# KiCad board 128CR.kicad_pcb (continued)
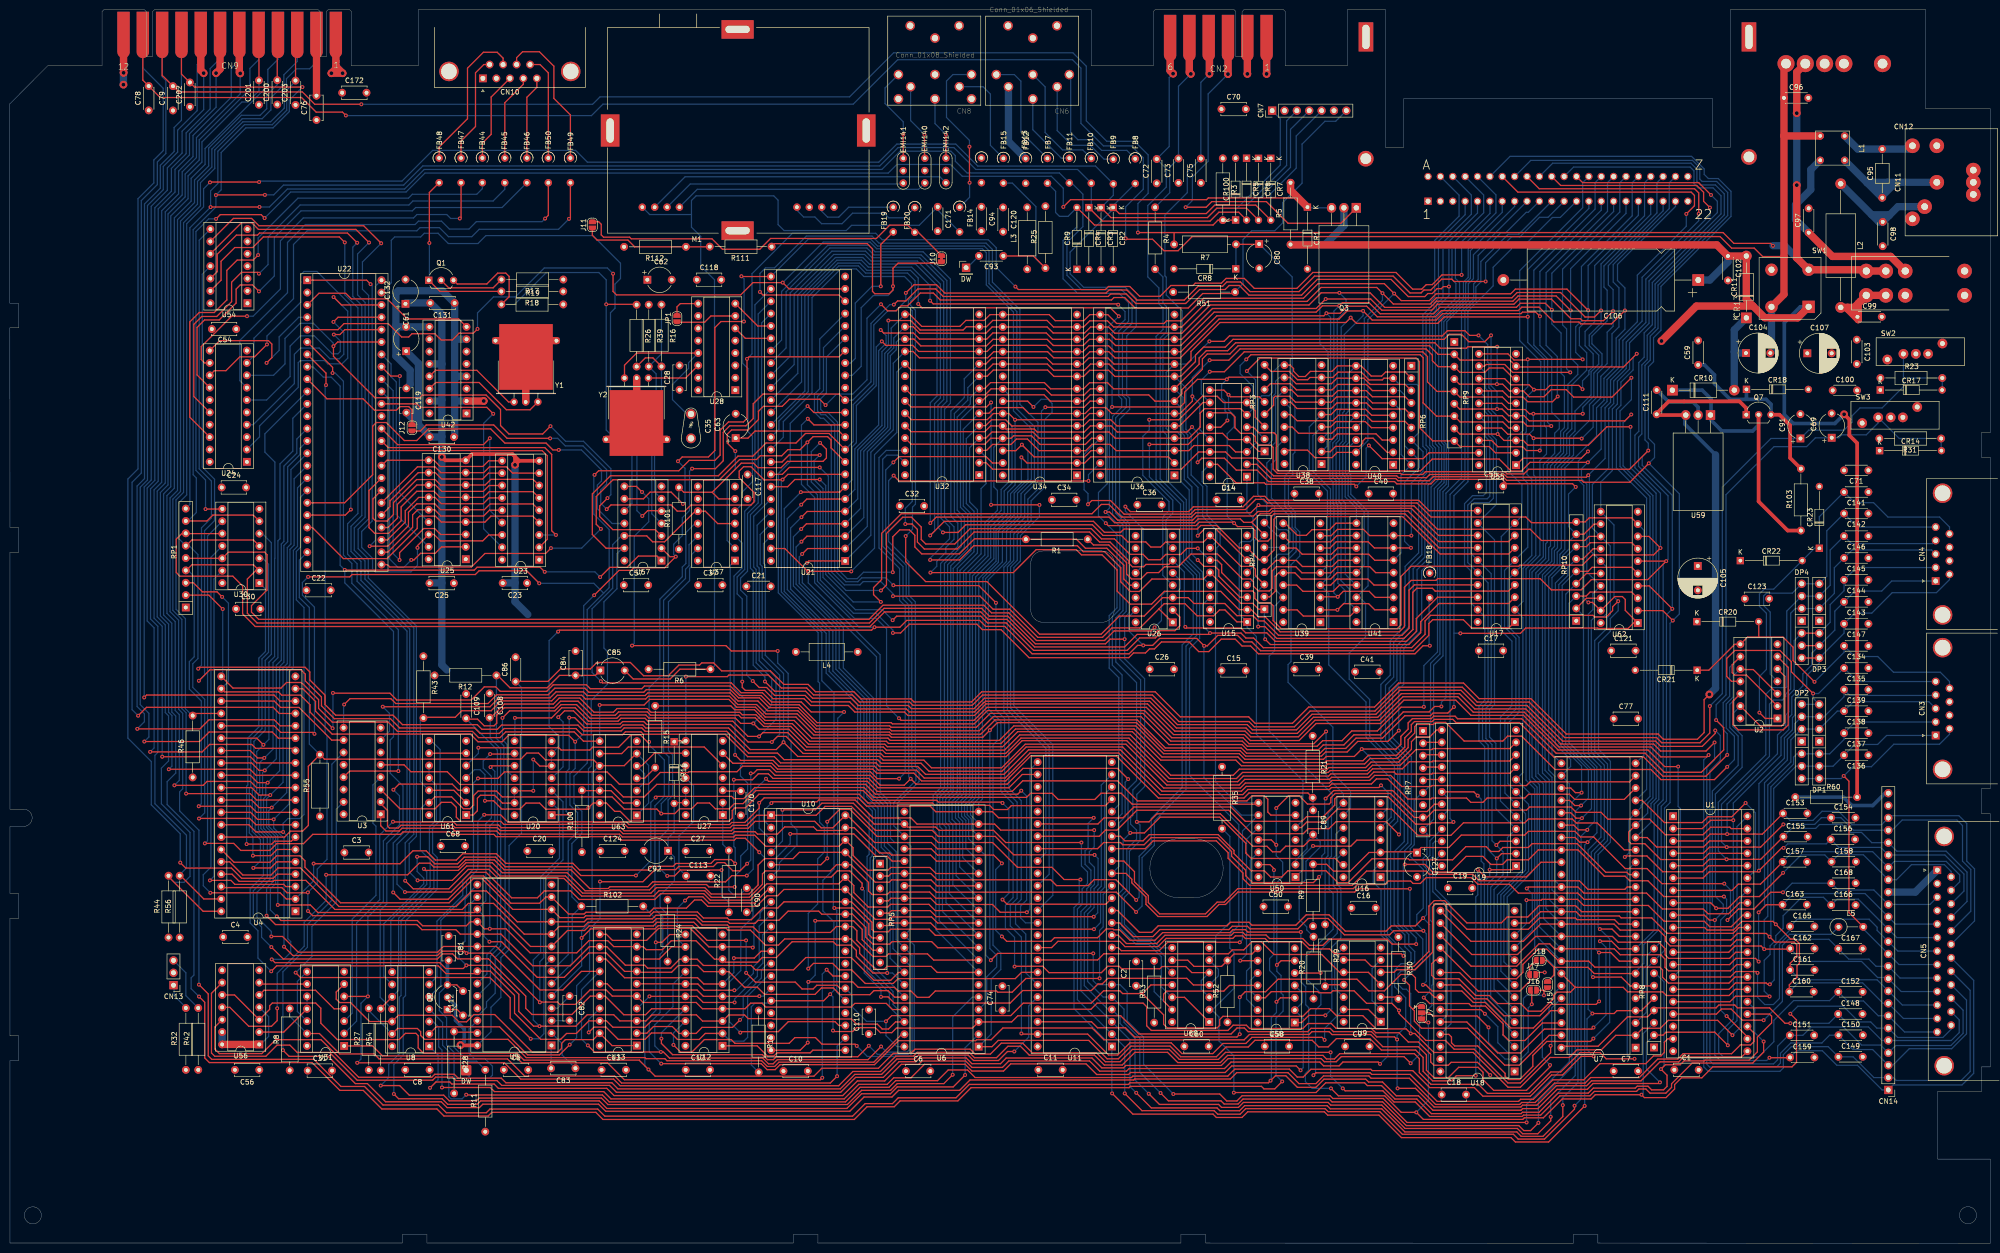
[diagram p0: board, top side]
## Nets (continued)
Net-(EMI141-Pad3): EMI141.3 M1.6
Net-(EMI142-Pad3): EMI142.3 M1.5
Net-(FB18-Pad2): FB18.2 R101.2 U37.6
Net-(FB19-Pad1): FB19.1 M1.2
Net-(FB19-Pad2): FB19.2 U21.17
Net-(FB20-Pad1): FB20.1 M1.4
Net-(FB20-Pad2): FB20.2 J10.2 J11.2
Net-(FB44-Pad2): FB44.2 U24.18
Net-(FB45-Pad2): FB45.2 U24.16
Net-(FB46-Pad2): FB46.2 U24.14
Net-(FB47-Pad2): FB47.2 U24.12
Net-(FB48-Pad2): FB48.2 Q1.1 R18.2
Net-(FB49-Pad2): FB49.2 U24.9
Net-(FB50-Pad2): FB50.2 U24.7
Net-(J10-Pad1): J10.1 R111.1 U21.16
Net-(J11-Pad1): J11.1 R111.2 R112.1
Net-(J12-Pad1): J12.1 U22.9
Net-(J15-Pad1): J15.1 J16.2 U18.23
Net-(J17-Pad1): J17.1 J18.1 U18.20
Net-(JP1-Pad1): JP1.1 U28.7
Net-(Q1-Pad2): Q1.2 R17.2
Net-(Q1-Pad3): Q1.3 R19.1 R26.1 U57.10
Net-(R1-Pad1): R1.1 U38.5 U39.5 U40.5 U41.5
Net-(R11-Pad2): R11.2 R28.1 U5.27
Net-(R15-Pad2): R15.2 U63.4
Net-(R16-Pad1): R16.1 R39.2 U57.4
Net-(R16-Pad2): R16.2 R26.2 U57.6
Net-(R29-Pad1): R29.1 U38.16 U39.16
Net-(R29-Pad2): R29.2 U9.11
Net-(R30-Pad1): R30.1 U40.16 U41.16
Net-(R30-Pad2): R30.2 U9.3
Net-(R35-Pad2): R35.2 U10.6 U57.8 U60.4 U60.6
Net-(R52-Pad2): R52.2 U58.8 U60.9
Net-(R53-Pad2): R53.2 U58.11 U60.13
Net-(R100-Pad2): R100.2 U63.2 U63.11 U63.12
Net-(RP5-Pad3): RP5.3
Net-(RP5-Pad9): RP5.9
Net-(RP7-Pad7): RP7.7
Net-(SW2-Pad3): SW2.3
Net-(SW3-Pad3): SW3.3
Net-(U1-Pad18): U1.18
Net-(U3-Pad4): U3.4 U31.3
Net-(U3-Pad12): U3.12
Net-(U3-Pad14): U3.14
Net-(U10-Pad18): U10.18
Net-(U10-Pad19): U10.19
Net-(U10-Pad28): U10.28
Net-(U11-Pad16): U7.13 U11.16
Net-(U11-Pad17): U7.14 U11.17
Net-(U11-Pad18): U7.15 U11.18
Net-(U11-Pad28): U11.28
Net-(U11-Pad29): U11.29
Net-(U11-Pad34): U11.34
Net-(U11-Pad36): U11.36
Net-(U11-Pad38): U3.5 U11.38
Net-(U11-Pad39): U11.39
Net-(U16-Pad2): U8.1 U16.2
Net-(U16-Pad4): U16.4 U50.1
Net-(U16-Pad6): U16.6 U37.1
Net-(U16-Pad10): U16.10 U58.5
Net-(U16-Pad12): U16.12 U58.1
Net-(U17-Pad11): U17.11 U26.12
Net-(U18-Pad26): U18.26
Net-(U19-Pad21): U19.21 U56.9
Net-(U21-Pad15): U21.15
Net-(U22-Pad1): U22.1 U23.16 U25.16
Net-(U22-Pad2): U22.2
Net-(U22-Pad4): U22.4 U24.11
Net-(U22-Pad19): U22.19 U57.11
Net-(U22-Pad20): U22.20 U24.13
Net-(U22-Pad21): U22.21 U23.4 U25.4
Net-(U22-Pad43): U22.43 U24.8 U57.3
Net-(U22-Pad44): U22.44 U24.6
Net-(U22-Pad45): U22.45 U24.4
Net-(U22-Pad46): U22.46 U24.2
Net-(U22-Pad47): U22.47 U57.5
Net-(U22-Pad48): U22.48 U23.5 U25.5
Net-(U24-Pad3): U24.3
Net-(U24-Pad5): U24.5
Net-(U26-Pad9): U26.9
Net-(U27-Pad4): U27.4
Net-(U27-Pad5): U27.5 U63.9
Net-(U27-Pad9): U27.9 U63.3 U63.5
Net-(U28-Pad1): U28.1
Net-(U28-Pad3): U28.3
Net-(U28-Pad5): U28.5
Net-(U28-Pad10): U28.10
Net-(U28-Pad11): U28.11
Net-(U28-Pad14): U28.14 Y2.2
Net-(U28-Pad16): U28.16
Net-(U31-Pad4): U31.4 U56.5
Net-(U31-Pad9): U31.9 U56.6
Net-(U31-Pad10): U31.10 U31.11 U56.2
Net-(U31-Pad12): U31.8 U31.12
Net-(U32-Pad26): U8.6 U32.26
Net-(U37-Pad3): U8.8 U37.3
Net-(U42-Pad1): U42.1
Net-(U42-Pad3): U42.3
Net-(U42-Pad5): U42.5
Net-(U42-Pad6): U42.6
Net-(U42-Pad10): U42.10
Net-(U42-Pad11): U42.11
Net-(U42-Pad13): U42.13 Y1.2
Net-(U42-Pad14): U42.14 Y1.1
Net-(U42-Pad16): U42.16
Net-(U50-Pad6): U50.6 U56.11
Net-(U50-Pad10): U50.10 U58.9
Net-(U50-Pad12): U50.12 U58.13
Net-(U54-Pad8): U7.23 U54.8
Net-(U54-Pad11): U7.22 U54.11
Net-(U56-Pad8): U56.8
Net-(U58-Pad2): U8.3 U58.2 U58.4
Net-(U61-Pad6): U61.6 U61.9

Pads without a net: CN6 0; CN8 0; CN11 0; SW1 0; U2 7 14; U3 8 16; U14 8 16; U15 8 16; U17 10 20; U20 7 14; U22 12 37; U26 8 16; U27 7 14; U32 14 28; U34 14 28; U36 14 28; U37 7 8 9 14; U50 3 4; U54 1 2 3 4 5 6; U55 10 20; U57 7 14; U61 7 14; U62 10 20; U63 7 14

## Via types
v1: diameter 0.8, hole 0.4, Top to Bottom, 569 vias
v2: diameter 1.6, hole 0.8, Top to Bottom, 22 vias

## Routing (per net, layer and track width the routed paths; a pad name or vN(x,y) marks a point on that pad's centre or on a via; arc(x,y) is an arc through that point)
9VAC1: length 449.5
  Top w0.25: 239.03,205.14 239.05,205.12 ; CN9.10 31.28,239.92 C79.2 34.69,236.51 60.07,236.51 62.61,233.97 v1(72.18,233.97) ; 239.03,205.19 239.03,207.62 ; 239.03,207.62 351.73,207.62 353.95,205.39 361.5,205.39 v1(361.98,204.92) ; 239.03,207.62 v1(231.6,207.62)
  Top w1.5: v2(366.85,232.14) 366.85,240.56 CN12.5 ; v2(366.85,217.37) 366.85,202.39 366.87,202.39 CR13.2 380.87,199.98 SW1.4 SW1.4
  Bottom w0.25: v1(72.18,233.97) 119.65,233.97 121.18,235.49 172.4,235.49 181.45,244.54 218.25,244.54 221,241.79 221,230.57 225.2,226.37 230.9,226.37 233.7,223.57 233.7,215.67 231.6,213.57 v1(231.6,207.62)
  Bottom w1.5: v1(361.98,204.92) 364.35,204.92 CR13.2 ; v2(366.85,232.14) v2(366.85,217.37)
9VAC2: length 459.4
  Top w0.25: 364.23,202.69 359.85,202.69 358.13,204.42 353.48,204.42 351.1,206.79 242.75,206.79 239.85,203.89 236.95,203.89 234.6,206.24 229.25,206.24 v1(229.08,206.42) ; CN9.11 27.32,238.93 C78.2 30.89,235.36 59.9,235.36 62.9,232.36 68.31,232.36 v1(69,231.67)
  Top w1.5: CN12.6 364.23,241.9 C96.1 364.23,227.49 ; 364.23,227.49 364.23,194.92 CR13.4 ; 364.23,227.49 364.25,227.47 L1.2
  Bottom w0.25: v1(229.08,206.42) 229.08,212.89 232.7,216.52 232.7,222.99 230.28,225.42 224.53,225.42 219.9,230.04 219.9,241.39 218.18,243.12 182.28,243.12 173.15,233.99 121.78,233.99 119.43,231.64 69.03,231.64 v1(69,231.67)
  Bottom w1.5: CR13.4 361.67,183.11 C104.2
+5V: length 238.8
  Top w0.25: U21.11 170.23,166.84 153,166.84 151.55,165.39 149.03,165.39
  Top w0.75: 103.79,161.53 104.57,160.74 ; 103.79,161.53 103.2,162.11 94.9,162.11 U25.9 89.38,160.84 v2(88.7,161.52) ; 103.79,161.53 103.73,161.47 v2(103.73,159.89) 104.57,160.74 ; 104.57,160.74 U23.9
  Top w1.5: CN2.2 254.07,244.06 v2(254.07,240.21) ; C76.2 62.97,244.72 CN9.2 ; U56.14 U56.1
  Bottom w0.25: U56.4 53.15,46.54 53.15,42.49 51.5,40.84 U56.1
  Bottom w1.5: C23.2 101.23,135.64 103.73,135.64 ; v2(103.73,159.89) 103.73,135.64 ; 103.73,135.64 103.73,131.79 106.35,129.17 ; C119.2 83.55,170.62 ; C119.2 83.78,168.27 ; C119.2 82.68,170.62 83.9,171.84 ; 83.9,171.84 83.9,168.39 83.78,168.27 ; 83.9,171.84 83.9,180.72 C61.1 ; 88.7,173.27 88.7,180.62 ; 88.7,173.27 88.7,165.69 ; 88.7,173.27 88.44,173.01 U42.15 ; 88.7,180.62 88.7,190.84 86.38,193.17 81.25,193.17 ; 88.7,180.62 88.69,180.63 U42.12 ; C25.2 86.23,135.64 88.7,135.64 ; U56.14 U56.13 ; 88.7,135.64 88.7,118.82 89.75,117.77 ; 88.7,135.64 v2(88.7,161.52) 88.7,165.69 ; v2(254.07,240.21) 254.06,240.23 CN2.2 ; 88.7,165.69 88.63,165.62 C130.2 86.2,165.84 83.78,168.27
+9V: length 738.5
  Top w0.25: v2(348.91,112.74) 347.83,111.66 347.83,104.91 346.45,103.53 339.46,103.53 338.38,104.61 319.54,104.61 312.27,111.88 301.64,111.88 298.44,115.08 285.11,115.08 280.18,110.15 266.66,110.15 263.33,106.82 255.65,106.82 254.33,108.14 240.29,108.14 235.15,113.28 199.52,113.28 197.44,111.2 185.62,111.2 184.99,111.83 174.76,111.83 173.29,113.3 165.4,113.3 163.9,114.8 158.92,114.8 156.14,117.58 146.15,117.58 144.51,119.22 142.05,119.22 141.6,118.77 137.36,118.77 135.17,116.58 130.13,116.58 127.41,119.3 120.51,119.3 119.2,117.99 113.06,117.99 110.49,115.42 103.8,115.42
  Top w0.75: U59.3 338.24,170.13 C111.1 338.09,170.45 340.58,172.94 355.1,172.94 356.48,171.56 Q7.1 ; U5.28 92.6,40.64 v2(92.54,40.7) ; v2(376.57,170.29) 377.65,169.21 377.65,165.96 379.25,164.36 R60.1
  Top w1.5: CR13.1 367.02,190.09 361.45,190.09 361.41,190.14 360.26,190.14 357.88,192.52 ; 357.88,192.52 356.5,193.89 CR11.2 C102.1 350.43,205.09 263,205.09 R5.1 ; 357.88,192.52 346.25,192.52 v2(339.08,185.34)
  Bottom w0.25: U5.28 98.79,43.45 98.79,48.48 100.82,50.51 100.82,58.66 102.51,60.35 102.51,81.71 105.06,84.26 105.06,114.16 103.8,115.42
  Bottom w0.75: v2(376.57,170.29) 374.68,168.4 366.12,168.4 364.3,170.22 364.3,189.1 367.56,192.36 CR13.1 ; 350.18,161.96 343.89,168.25 343.89,170.3 ; v2(92.54,40.7) 93.3,41.46 93.3,44 91.53,45.78 91.53,48.86 Q2.2
  Bottom w1.5: Q3.2 273.89,209.03 270.02,205.16 R5.1 ; C106.1 349,197.87 352.73,201.59 C102.1 ; 350.18,161.96 350.18,114.01 v2(348.91,112.74)
GND: length 177.6
  Top w0.25: v1(315.11,55.64) 313.76,55.64 J17.2 ; JP1.2 136.98,192.34 137.66,193.02 U28.9
  Top w1.5: Y2.3 125.3,165.14 Y2.3 132,165.14 Y2.3 ; CN2.1 258.02,240.21 v2(258.01,240.21) ; 66.95,241.73 v2(68.33,240.35) v2(66.03,240.35) 66.95,241.27 66.95,241.73 ; 66.95,241.73 66.95,244.72 CN9.1 ; v2(97.3,173.02) 97.29,173.01 U42.2 ; CN9.12 23.36,240.44 v2(23.37,240.43) ; 112.23,185.42 109.33,185.42 Y1.3 102.63,185.42 99.73,185.42
  Bottom w0.75: U59.2 346.6,171.75 345.53,172.82 340.55,172.82 C111.2
  Bottom w1.5: v2(258.01,240.21) 258.01,244.07 CN2.1 ; U42.2 91.34,173.01 91.33,172.99 ; v2(68.33,240.35) 66.95,241.74 66.95,242.77 ; 91.33,172.99 91.33,165.74 C130.1 ; 91.33,172.99 91.33,177.52 ; 91.33,177.52 91.9,178.09 U42.4 ; 91.33,177.52 C131.1 88.8,195.67 79.78,195.67 79.28,195.17 79.28,188.62 ; C119.1 82.2,176.39 82.2,179.32 79.28,182.24 79.28,188.62 ; 66.95,242.77 66.95,241.26 v2(66.03,240.35) ; 66.95,242.77 CN9.1 ; 79.28,188.62 79.65,188.25 C61.2 U42.9 ; U42.7 91.82,185.71 ; CN14.17 391.19,72.13 CN5.1 ; v2(23.34,238) 23.34,240.4 v2(23.37,240.43) 23.37,244.72 CN9.12
1MHZ: length 508.9
  Top w0.25: v1(298.05,198.92) 294.03,198.92 292.03,196.92 290.79,196.92 289.87,195.99 288,195.99 284.58,199.42 267.5,199.42 264.23,196.14 255.5,196.14 253.45,198.19 249.7,198.19 248.73,197.22 243.38,197.22 242.9,196.74 238.35,196.74 236.13,194.52 231.95,194.52 229.93,196.54 225.55,196.54 224.93,195.92 207.05,195.92 v1(206.45,196.52) ; v1(108.7,135.57) 106.13,138.14 96.35,138.14 95.58,137.37 70.28,137.37 69.8,136.89 v1(61.25,136.89) ; U21.18 170.25,182.09 151.78,182.09 v1(151.35,181.67) 151.35,169.44 150.63,168.72 147.55,168.72 145.83,166.99 145.83,161.89 144.75,160.82 139.48,160.82 137.35,158.69 120.9,158.69 v1(120.05,157.84) ; v1(62.55,104.64) 62.25,104.94 55.63,104.94 54.28,106.29 U4.25
  Bottom w0.25: v1(62.55,104.64) 62.55,130.67 60.08,133.14 60.08,135.72 v1(61.25,136.89) ; 301.32,219.13 305.1,215.35 305.1,211.67 298.05,204.62 v1(298.05,198.92) ; U5.6 115.48,57.59 115.48,67.34 R102.1 115.4,71.17 115.4,82.12 117.45,84.17 117.45,88.74 115.83,90.37 115.83,95.94 118.55,98.67 118.55,130.17 121.93,133.54 ; 121.93,133.54 123.05,134.67 123.05,146.62 119.9,149.77 119.9,157.69 v1(120.05,157.84) ; 121.93,133.54 119.9,135.57 v1(108.7,135.57) ; v1(206.45,196.52) 202.53,200.44 202.53,204.49 200.88,206.14 179.1,206.14 177.78,207.47 160.68,207.47 152.38,199.17 152.38,182.69 v1(151.35,181.67)
2MHZ: length 523.9
  Top w0.25: v1(300.95,34.42) 296.98,34.42 295.93,33.37 292.1,33.37 290.15,35.32 290.15,38.17 288.63,39.69 281.58,39.69 279.23,42.04 272.35,42.04 270.65,40.34 268.73,40.34 267.38,41.69 255.63,41.69 254.25,40.32 249.7,40.32 247.7,38.32 240.38,38.32 238.2,40.49 230.18,40.49 227.58,37.89 225.28,37.89 221.5,41.67 202.93,41.67 201.65,40.39 U6.1 ; U21.23 159.97,196.05 v1(158.68,197.34) 152.58,197.34 150.05,194.82 124.55,194.82 123.85,195.52 v1(123.85,199.17) ; 318.54,78.27 314.35,78.27 311.35,75.27 302.85,75.27 v1(301.38,76.74) ; U22.5 67.38,187.67 68.63,188.92 77.7,188.92 80.45,186.17 81.9,186.17 82.58,186.84 87.25,186.84 88.53,185.57 90.85,185.57 92.23,186.94 95.15,186.94 v1(96.03,187.82)
  Bottom w0.25: v1(301.38,76.74) 301.38,71.57 300.95,71.14 v1(300.95,34.42) ; v1(158.68,197.34) 167,205.67 176.6,205.67 177.98,204.29 199.68,204.29 200.48,203.49 200.48,196.87 206.05,191.29 206.05,170.99 209.73,167.32 209.73,156.92 206.88,154.07 206.88,149.29 203.78,146.19 203.78,139.97 200.3,136.49 200.3,109.32 202.75,106.87 202.75,103.27 201.85,102.37 201.85,61.24 203.45,59.64 203.45,56.24 201.48,54.27 201.48,42.97 U6.1 ; v1(123.85,199.17) 122.68,200.34 109.73,200.34 103.78,194.39 99.3,194.39 96.03,191.12 v1(96.03,187.82)
16MHZ: length 36.5
  Top w0.25: U42.8 92.16,189.87 81.6,189.87 77.48,193.99 70.13,193.99 68.98,195.14 63.47,195.14 U22.3
40_80: length 95.5
  Top w0.25: v1(365.53,45.19) 364.44,45.19 361.27,48.36 354.7,48.36 354.11,48.95 350.87,48.95 350.28,48.36 338.07,48.36 RP8.4 336.22,46.51 332.1,46.51 326.07,40.48 318.85,40.48 318.54,40.17
  Bottom w0.25: v1(365.53,45.19) 373.45,45.19 C148.1 378,44.44 381.55,44.44 384.34,41.65 398.59,41.65 400.2,43.27 400.2,45.9 CN5.24
128_64: length 435.3
  Top w0.25: U11.15 229.14,75.98 230.35,74.77 230.35,74.04 233.25,71.14 233.25,69.62 235.75,67.12 245.78,67.12 248.25,69.59 249.58,69.59 252.13,72.14 276.1,72.14 276.78,72.82 v1(287.43,72.82) ; v1(286.25,54.09) 287.35,52.99 287.35,48.74 288.01,48.09 ; 288.01,48.09 288.35,47.74 288.35,45.62 289.8,44.17 299.3,44.17 306.88,36.59 309.9,36.59 316.02,42.71 318.54,42.71 ; 288.01,48.09 288.57,48.65 J7.1 ; v1(151.38,77.97) 149.93,76.52 148.43,76.52 146.75,78.19 145.25,78.19 144.45,77.39 137.33,77.39 136.68,76.74 132.45,76.74 129.98,74.27 121.2,74.27 v1(121.18,74.29) ; v1(114.95,40.79) 112.85,38.69 106.33,38.69 100.55,44.47 87.58,44.47 U8.2 ; v1(152.13,96.52) 152.68,96.52 153.45,97.29 155.95,97.29 157.13,96.12 176.65,96.12 178.68,94.09 183.63,94.09 v1(184.95,95.42) 186.05,94.32 204.78,94.32 208,97.54 227.4,97.54 v1(229.6,95.34)
  Bottom w0.25: U11.15 227.73,77.45 227.73,86.37 228.98,87.62 228.98,94.72 v1(229.6,95.34) ; v1(114.95,40.79) 116.38,42.22 116.38,52.92 119.03,55.57 119.03,64.54 121.18,66.69 v1(121.18,74.29) ; v1(184.95,95.42) 184.55,95.82 184.55,131.14 183.38,132.32 183.38,138.99 179.2,143.17 179.2,161.04 180.05,161.89 182.23,161.89 U32.27 ; v1(287.43,72.82) 287.43,65.14 290.08,62.49 290.08,57.92 v1(286.25,54.09) ; v1(151.38,77.97) 152.13,78.72 v1(152.13,96.52)
8502_AEC: length 212.8
  Top w0.25: v1(76.15,32.39) 80.05,32.39 82.03,30.42 89.08,30.42 90.23,29.27 95.8,29.27 96.35,29.82 121.48,29.82 122.8,28.49 171.95,28.49 174.88,31.42 180.83,31.42 182.2,32.79 191.75,32.79 v1(193.58,34.62)
  Bottom w0.25: U61.10 U61.11 87.58,94.09 87.58,86.92 86.15,85.49 86.15,79.72 87.08,78.79 87.08,73.07 80.33,66.32 80.33,50.89 80,50.57 80,38.97 77.8,36.77 77.8,34.04 v1(76.15,32.39) ; U6.5 197.61,50.55 193.58,46.52 v1(193.58,34.62)
8502_RDY: length 209.9
  Top w0.25: v1(196.13,34.57) 193.68,32.12 182.2,32.12 180.8,30.72 174.88,30.72 171.85,27.69 122.58,27.69 121.03,29.24 96.68,29.24 95.98,28.54 89.9,28.54 88.75,29.69 79.83,29.69 v1(78.85,30.67)
  Bottom w0.25: v1(196.13,34.57) 196.13,40.16 U6.2 ; U61.8 86.56,103.21 88.35,101.42 88.35,86.87 86.8,85.32 86.8,80.19 87.75,79.24 87.75,72.72 81.25,66.22 81.25,50.87 80.78,50.39 80.78,38.64 78.85,36.72 v1(78.85,30.67)
8502_R~{W}: length 119.3
  Top w0.25: U8.13 79.61,44.12 83.68,44.12 84.35,43.44 84.35,42.69 85.16,41.88 86.66,41.88 86.67,41.89 102.28,41.89 106.03,38.14 130.4,38.14 130.63,37.92 134.5,37.92 134.93,37.49 154.35,37.49 155.53,36.32 157.03,36.32 157.9,37.19 177.38,37.19 183.12,42.93 U6.39 ; 73.7,47.81 R27.2
  Bottom w0.25: U8.13 73.7,47.81
/Color / Character/CD0: length 276.6
  Top w0.25: v1(114.85,107.97) 115.98,107.97 118.03,105.92 125.35,105.92 125.9,106.47 129.95,106.47 130.58,105.84 147.58,105.84 152,101.42 157.35,101.42 v1(158.85,102.92) 161.78,99.99 178.55,99.99 179.3,99.24 187.65,99.24 189.23,97.67 203.63,97.67 208.48,102.52 229.15,102.52 237.53,94.14 252.38,94.14 253.53,95.29 270.93,95.29 271.35,95.72 278.95,95.72 280.03,96.79 284.18,96.79 284.6,96.37 291.93,96.37 292.1,96.54 307.96,96.54 U19.9 ; U20.1 111.35,88.02 v1(114.92,88.02)
  Bottom w0.25: v1(158.85,102.92) 158.85,117.04 155.1,120.79 155.1,139.32 154.73,139.69 154.73,143.71 U21.46 ; v1(114.92,88.02) 114.22,88.72 114.22,96.83 114.85,97.46 v1(114.85,107.97)
/Color / Character/CD1: length 271.5
  Top w0.25: U19.10 307.94,99.07 292.18,99.07 292.03,98.92 287.33,98.92 285.88,97.47 279.78,97.47 278.73,96.42 271.2,96.42 270.75,95.97 253.23,95.97 252.08,94.82 237.73,94.82 229.3,103.24 207.83,103.24 204.55,99.97 179.43,99.97 178.78,100.62 162.88,100.62 159.38,104.12 157.6,104.12 v1(156.45,102.97) 151.58,102.97 147.98,106.57 130.75,106.57 130.15,107.17 125.8,107.17 125.3,106.67 118.43,106.67 115.73,109.37 113.9,109.37 v1(112.6,108.07)
  Bottom w0.25: U21.45 154.05,145.58 154.05,139.47 154.48,139.04 154.48,120.27 158.05,116.69 158.05,104.57 v1(156.45,102.97) ; U20.4 113.59,97.88 113.59,107.08 v1(112.6,108.07)
/Color / Character/CD2: length 274.4
  Top w0.25: v1(103.7,107.92) 111.23,107.92 113.3,109.99 116.08,109.99 118.83,107.24 124.88,107.24 125.48,107.84 130.43,107.84 131.03,107.24 148.43,107.24 151.55,104.12 v1(153.83,104.12) 154.6,104.89 159.73,104.89 163.35,101.27 179.18,101.27 179.83,100.62 204.45,100.62 207.6,103.77 229.75,103.77 238.05,95.47 251.83,95.47 253.08,96.72 270.68,96.72 271.05,97.09 278.65,97.09 279.75,98.19 285.45,98.19 288.68,101.42 291.98,101.42 292.18,101.62 307.95,101.62 U19.11
  Bottom w0.25: v1(153.83,104.12) 157.3,107.59 157.3,116.22 153.85,119.67 153.85,138.69 153.43,139.12 153.43,147.49 U21.44 ; U20.8 103.7,103.23 v1(103.7,107.92)
/Color / Character/CD3: length 271.9
  Top w0.25: v1(101.15,107.92) 102.6,109.37 111.9,109.37 113.18,110.64 116.35,110.64 119.15,107.84 124.63,107.84 125.3,108.52 130.58,108.52 131.2,107.89 148.95,107.89 150.05,106.79 v1(152.65,106.79) 153.85,105.59 159.95,105.59 163.6,101.94 179.33,101.94 179.98,101.29 204.2,101.29 207.33,104.42 230.05,104.42 238.33,96.14 251.18,96.14 252.43,97.39 270.45,97.39 270.78,97.72 278.35,97.72 279.48,98.84 285.13,98.84 287.75,101.47 287.75,103.04 288.68,103.97 291.45,103.97 292.92,105.43 U19.13
  Bottom w0.25: U20.11 102.09,97.07 102.09,102.5 101.15,103.44 v1(101.15,107.92) ; v1(152.65,106.79) 156.43,110.57 156.43,116.04 153.23,119.24 153.23,138.42 152.73,138.92 152.73,149.33 U21.43
/Color / Character/SA0: length 199.3
  Top w0.25: v1(322.7,165.29) 322.63,165.37 v1(312.83,165.37) 312,166.19 307.53,166.19 306.26,167.46 U55.17
  Bottom w0.25: v1(312.83,165.37) 312.83,157.82 313.28,157.37 313.28,141.24 310.65,138.62 310.65,131.84 308.97,130.16 310.63,128.5 310.63,96.68 U19.8 312.42,92.08 312.42,76.16 307.42,71.16 307.42,59.66 U18.10 ; v1(322.7,165.29) 325.05,167.64 325.05,172.07 326.63,173.64 326.63,178.07 328.93,180.37 328.93,186.82 330.35,188.24 330.35,196.27 329.18,197.44 329.18,201.04 340.68,212.54 340.68,217.85 341.96,219.13
/Color / Character/SA1: length 204.4
  Top w0.25: v1(322.93,170.39) v1(312.78,170.39) 311.98,170.39 311.1,171.27 307.58,171.27 306.31,172.54 U55.15
  Bottom w0.25: 339.42,219.13 338.15,217.87 338.15,211.64 327.28,200.77 327.28,196.42 327.93,195.77 327.93,189.47 324.8,186.34 324.8,184.77 326.88,182.69 326.88,180.42 325.2,178.74 325.2,174.02 322.93,171.74 v1(322.93,170.39) ; 308.93,55.61 306.73,57.81 306.73,71.36 311.79,76.42 311.79,90.17 U19.7 307.54,94.42 307.54,106.79 309.85,109.1 309.85,124.46 307.57,126.74 307.57,136.38 U17.5 312.45,141.26 312.45,156.97 311.48,157.94 311.48,165.79 312.78,167.09 v1(312.78,170.39)
/Color / Character/SA2: length 206.2
  Top w0.25: v1(322.88,175.44) 322.1,176.22 316.18,176.22 315.3,175.34 v1(312.9,175.34) 311.9,176.34 308.15,176.34 306.88,177.62 U55.13
  Bottom w0.25: 336.88,219.13 335.6,217.86 335.6,211.07 325.38,200.84 325.38,189.29 323.4,187.32 323.4,184.37 325.05,182.72 325.05,180.08 324.18,179.21 324.18,178.47 322.88,177.17 v1(322.88,175.44) ; U18.8 306.11,55.89 306.11,71.58 311.17,76.64 311.17,88.25 U19.6 306.94,92.48 306.94,107.5 309.19,109.75 309.19,124.28 306.86,126.61 306.86,138.21 311.63,142.98 311.63,156.12 310.68,157.07 310.68,166.02 311.33,166.67 311.33,173.77 v1(312.9,175.34)
/Color / Character/SA3: length 209.3
  Top w0.25: U55.11 307.56,182.7 308.82,181.44 311.5,181.44 v1(311.63,181.57) v1(322.9,181.57)
  Bottom w0.25: U18.7 305.4,54.06 305.4,71.6 310.59,76.79 310.59,86.29 U19.5 306.02,90.86 306.02,108.07 308.38,110.43 308.38,123.69 306.2,125.87 306.2,145.17 310.43,149.4 310.43,155.79 307.55,158.67 307.55,165.37 308.35,166.17 309.88,166.17 310.68,166.97 310.68,174.97 311.63,175.92 v1(311.63,181.57) ; 334.34,219.13 333.08,217.87 333.08,211.07 322.65,200.64 322.65,189.44 321.48,188.27 321.48,182.99 v1(322.9,181.57)
/Color / Character/SA4: length 208.8
  Top w0.25: v1(320.35,178.89) 308.53,178.89 306.9,180.52 303.1,180.52 302.74,180.16 U55.12
  Bottom w0.25: U18.6 304.71,52.21 304.71,72.67 307.46,75.42 307.46,83.35 U19.4 305.08,89.26 305.08,102.69 303.78,103.99 303.78,109.62 304.8,110.64 304.8,144.49 301.35,147.94 305.19,151.78 305.19,165.05 304.18,166.06 304.18,170.32 303.52,170.98 303.52,175.03 302.96,175.59 302.96,178.8 U55.12 ; 331.8,219.13 330.53,217.86 330.53,211.84 318.78,200.09 318.78,188.64 319.6,187.82 319.6,179.64 v1(320.35,178.89)
/Color / Character/SA5: length 215.1
  Top w0.25: U19.3 305.95,82.57 v1(305.17,81.8) ; U55.14 306.47,175.08 307.7,173.84 310.65,173.84 311.63,172.87 316.7,172.87 v1(317.78,173.94)
  Bottom w0.25: U55.14 302.83,173.85 302.83,170.83 303.55,170.11 303.55,165.92 304.57,164.9 304.57,153.02 303.7,152.15 300.67,152.15 299.95,151.43 299.95,141.72 304.12,137.55 304.12,110.97 303.04,109.89 303.04,103.7 304.29,102.45 304.29,82.68 v1(305.17,81.8) 306.56,80.41 306.56,75.69 304.02,73.15 304.02,50.36 U18.5 ; 329.26,219.13 328,217.88 328,211.97 315.4,199.37 315.4,184.44 317.7,182.14 317.7,174.02 v1(317.78,173.94)
/Color / Character/SA6: length 216.5
  Top w0.25: U55.16 306.4,170 307.68,168.72 310.68,168.72 311.53,167.87 v1(316.45,167.87) ; v1(305.26,79.05) 306.25,80.03 U19.2
  Bottom w0.25: v1(316.45,167.87) 315.7,168.62 315.7,181.67 312.88,184.49 312.88,199.87 325.45,212.44 325.45,217.87 326.72,219.13 ; U55.16 302.98,168.62 302.98,165.63 303.84,164.77 303.84,153.47 303.3,152.93 300.61,152.93 299.31,151.63 299.31,139.82 U17.16 303.48,135.65 303.48,111.3 302.34,110.16 302.34,103.49 303.51,102.32 303.51,80.8 v1(305.26,79.05) 305.26,75.69 303.39,73.82 303.39,50.11 307.09,46.41 307.09,44.75 U18.4
/Color / Character/SA7: length 217.6
  Top w0.25: v1(303.81,76.73) 308.46,76.73 U19.1 ; U55.18 304.2,164.92 305.5,163.62 310.6,163.62 311.38,162.84 v1(314.1,162.84)
  Bottom w0.25: U18.3 306.52,42.78 306.52,45.96 302.73,49.75 302.73,74.38 303.81,75.46 v1(303.81,76.73) 303.81,78.01 302.78,79.04 302.78,102.02 301.61,103.19 301.61,110.34 302.82,111.55 302.82,128.69 299.95,131.56 299.95,138.11 298.65,139.41 298.65,151.94 300.29,153.58 302.51,153.58 303.12,154.19 303.12,163.4 U55.18 ; v1(314.1,162.84) 314.3,163.04 314.3,181.09 309.98,185.42 309.98,199.79 322.9,212.72 322.9,217.86 324.18,219.13
/Color / Character/U18_A12: length 41
  Top w0.25: 290.18,47.32 291.48,47.32 292.1,46.69 301.23,46.69 v1(303.58,44.34) ; v1(312.45,49.09) 312.45,51.69 J16.1
  Bottom w0.25: v1(312.45,49.09) 311.73,48.37 311.73,39.32 310.24,37.83 U18.2 306.96,37.83 303.58,41.22 v1(303.58,44.34)
/CPU/D0: length 919.8
  Top w0.25: U21.7 170.39,154.29 v1(162.4,154.29) ; v1(311.42,72.88) 311.73,73.19 321.91,73.19 323.18,71.92 336.03,71.92 339.28,68.67 347.65,68.67 348.63,67.69 352.85,67.69 355.1,69.94 U1.33 ; U6.38 181.86,45.47 180.4,44.02 179.1,44.02 178.1,45.02 173.85,45.02 172.8,46.07 156.7,46.07 156.62,46.15 151.59,46.15 150.85,46.89 147.58,46.89 U12.3 142.23,45.64 140.95,46.92 131.85,46.92 130.62,45.68 125.24,45.68 123.98,46.94 118.55,46.94 116.2,44.59 v1(108.75,44.59) 107.53,44.59 104.5,47.62 104.5,51.14 98.55,57.09 v1(93.75,57.09) 93.1,56.44 89.48,56.44 88.28,57.64 54.45,57.64 v1(53.78,58.32) ; v1(56.12,84.49) 50.55,84.49 49.07,85.97 U4.33 ; v1(331.58,191.62) 328.83,188.87 322.5,188.87 322.13,189.24 317,189.24 313.95,192.29 310.4,192.29 309.7,191.59 293.93,191.59 292.65,190.32 280.73,190.32 278.55,192.49 274.55,192.49 273.1,191.04 v1(270.3,191.04) 269.78,190.52 247.8,190.52 240.43,183.14 U36.11 226.8,183.14 225.58,184.37 221.55,184.37 220.33,183.14 U34.11 214.15,183.14 212.85,184.44 201.88,184.44 200.63,183.19 U32.11 186.6,183.19 185.35,184.44 179.85,184.44 v1(179.03,185.27) ; U38.2 271.09,162.61 272.18,163.69 277.1,163.69 277.75,164.34 277.75,164.79 278.33,165.37 279.88,165.37 282.79,162.46 U40.2
  Bottom w0.25: 318.54,73.19 317.23,74.5 317.23,95.89 315.93,97.19 315.93,136.87 318.23,139.17 318.23,141.52 319.23,142.52 319.23,159.27 325.75,165.79 325.75,171.62 327.28,173.14 327.28,177.67 329.78,180.17 329.78,185.94 331.58,187.74 v1(331.58,191.62) 331.58,196.24 330.05,197.77 330.05,201.07 341.96,212.97 CN1.21 ; v1(162.4,154.29) 159,150.89 159,133.89 167.6,125.29 167.6,117.12 174.05,110.67 174.05,90.59 176.43,88.22 176.43,79.89 176,79.47 176,56.02 180.58,51.44 180.58,48.56 U6.38 ; U22.18 59.68,153.25 59.68,142.97 58.83,142.12 58.83,132.17 60.4,130.59 60.4,88.07 59.58,87.24 57.1,87.24 56.12,86.26 v1(56.12,84.49) 57.08,83.53 57.08,62.57 57.68,61.97 57.68,59.77 56.23,58.32 v1(53.78,58.32) ; v1(93.75,57.09) 92.25,58.59 92.25,60.84 93.48,62.07 93.48,70.67 94.48,71.67 94.48,72.15 U5.15 ; v1(108.75,44.59) 107.48,45.87 107.48,58.22 108.98,59.72 108.98,75.24 112.85,79.12 112.85,88.85 U20.2 ; U38.2 270.42,163.73 270.42,164.75 271.15,165.48 271.15,190.19 v1(270.3,191.04) ; U18.11 312.56,64.33 312.56,71.74 v1(311.42,72.88) ; U21.7 172.9,156.81 172.9,163.54 173.8,164.44 173.8,172.09 177.88,176.17 177.88,184.12 v1(179.03,185.27)
/CPU/D1: length 892
  Top w0.25: v1(311.37,70.49) 314.41,70.49 314.57,70.65 321.85,70.65 323.1,69.39 336.38,69.39 339.63,66.14 347.88,66.14 349,65.02 353.4,65.02 355.78,67.4 U1.32 ; U21.6 163.63,152.87 v1(162.48,151.72) ; v1(54.18,87.07) 50.88,87.07 49.43,88.51 U4.32 ; U38.3 271.41,165.15 272.53,166.27 280.48,166.27 281.75,165 U40.3 ; v1(329.15,191.49) 327.18,189.52 322.85,189.52 322.45,189.92 320.5,189.92 316.48,193.94 309.83,193.94 308.78,192.89 293.13,192.89 291.9,191.67 281.68,191.67 279.38,193.97 v1(270.15,193.97) 268.2,192.02 246.9,192.02 240.57,185.68 U36.12 227.01,185.68 225.78,186.92 221.58,186.92 220.34,185.68 U34.12 214.09,185.68 212.78,186.99 201.83,186.99 200.57,185.73 U32.12 186.76,185.73 185.53,186.97 179.43,186.97 v1(178.8,187.59) ; U6.37 181.21,48.01 179.95,49.27 173.48,49.27 172.73,48.52 155.23,48.52 154.43,49.32 152.1,49.32 150.97,48.18 U12.4 142.19,48.18 140.9,49.47 130.02,49.47 U13.5 123.71,50.76 122.43,52.04 119.13,52.04 116.15,49.07 112.9,49.07 112.43,49.54 108.88,49.54 v1(108.83,49.49) 98.73,59.59 v1(93.78,59.59) 93.38,59.99 88.69,59.99 87.81,59.12 58.1,59.12 v1(56.3,60.92)